# Allegro board S071AA-0413-20260427.brd (continued)
## Routing (per net, layer and track width the routed paths; a pad name or vN(x,y) marks a point on that pad's centre or on a via; arc(x,y) is an arc through that point) (continued)
; D431.A17 14.7,386.08 ; D428.B1 129.81,402.13 ; D428.B1 129.81,400.51 ; D428.B1 130.62,401.32 ; D428.B1 129,401.32 ; D108.A11 261.89,33.83 ; D108.A11 261.89,32.21 ; D108.A11 261.08,33.02 ; D108.A11 262.7,33.02 ; D107.B12 264.43,61.77 ; D107.B12 263.62,60.96 ; D107.B12 264.43,60.15 ; D107.B12 265.24,60.96 ; 241.57,375.11 D111.A15 ; D111.A15 240.76,375.92 ; D111.A15 242.38,375.92 ; D111.A15 241.57,376.73 ; 192.5,415.29 DPS2.A05 ; DPS2.A05 194.12,415.29 ; DPS2.A05 193.31,416.1 ; DPS2.A05 193.31,414.48 ; D431.B4 48.53,379.27 ; D431.B4 49.34,378.46 ; D431.B4 48.53,377.65 ; D431.B4 47.72,378.46 ; D106.B5 246.65,79.55 ; D106.B5 246.65,77.93 ; D106.B5 247.46,78.74 ; D106.B5 245.84,78.74 ; CSDPS229.C9 36.64,330.2 ; CSDPS229.C9 35.02,330.2 ; CSDPS229.C9 35.83,329.39 ; CSDPS229.C9 35.83,331.01 ; 50.26,38.1 D120.B15 ; D120.B15 51.88,38.1 ; D120.B15 51.07,38.91 ; D120.B15 51.07,37.29 ; UHC230.G3_4 48.64,353.54 ; UHC230.G3_4 47.02,353.54 ; UHC230.G3_4 47.83,352.73 ; UHC230.G3_4 47.83,354.35 ; D123.A2 92.52,55.88 ; D123.A2 91.71,56.69 ; D123.A2 90.9,55.88 ; D123.A2 91.71,55.07 ; 123.92,38.1 D124.B15 ; D124.B15 124.73,38.91 ; D124.B15 124.73,37.29 ; D124.B15 125.54,38.1 ; 45.18,370.84 D231.B5 ; D231.B5 46.8,370.84 ; D231.B5 45.99,370.03 ; D231.B5 45.99,371.65 ; 271.24,375.92 D111.A3 ; D111.A3 272.05,376.73 ; D111.A3 272.86,375.92 ; D111.A3 272.05,375.11 ; 109.49,93.17 D121.A9 ; D121.A9 110.3,93.98 ; D121.A9 109.49,94.79 ; D121.A9 108.68,93.98 ; D124.B6 102.68,40.64 ; D124.B6 101.87,41.45 ; D124.B6 101.87,39.83 ; D124.B6 101.06,40.64 ; 30.75,37.29 D120.B7 ; D120.B7 31.56,38.1 ; D120.B7 30.75,38.91 ; D120.B7 29.94,38.1 ; D120.B12 44.26,40.64 ; D120.B12 43.45,39.83 ; D120.B12 43.45,41.45 ; D120.B12 42.64,40.64 ; 113.76,391.16 D228.B7 ; D228.B7 115.38,391.16 ; D228.B7 114.57,391.97 ; D228.B7 114.57,390.35 ; DPS1.C15 272.86,19.05 ; DPS1.C15 272.05,18.24 ; DPS1.C15 272.05,19.86 ; DPS1.C15 271.24,19.05 ; 266.97,395.43 D112.A5 ; D112.A5 266.97,397.05 ; D112.A5 266.16,396.24 ; D112.A5 267.78,396.24 ; CSDPS425.B2 128.08,342.9 ; CSDPS425.B2 127.27,342.09 ; CSDPS425.B2 126.46,342.9 ; CSDPS425.B2 127.27,343.71 ; 256.81,390.35 D112.B9 ; D112.B9 257.62,391.16 ; D112.B9 256,391.16 ; D112.B9 256.81,391.97 ; 272.05,349.71 D110.B3 ; D110.B3 272.86,350.52 ; D110.B3 272.05,351.33 ; D110.B3 271.24,350.52 ; 106.14,332.74 CSDPS225.B10 ; CSDPS225.B10 106.95,333.55 ; CSDPS225.B10 106.95,331.93 ; CSDPS225.B10 107.76,332.74 ; D105.A8 254.27,97.33 ; D105.A8 254.27,95.71 ; D105.A8 253.46,96.52 ; D105.A8 255.08,96.52 ; 167.1,58.42 D103.B3 ; D103.B3 167.91,57.61 ; D103.B3 168.72,58.42 ; D103.B3 167.91,59.23 ; D122.A16 127.27,77.01 ; D122.A16 127.27,75.39 ; D122.A16 126.46,76.2 ; D122.A16 128.08,76.2 ; 266.16,370.84 D111.B5 ; D111.B5 266.97,371.65 ; D111.B5 267.78,370.84 ; D111.B5 266.97,370.03 ; 198.39,52.53 D103.A15 ; D103.A15 198.39,54.15 ; D103.A15 199.2,53.34 ; D103.A15 197.58,53.34 ; D428.A5 119.65,407.21 ; D428.A5 119.65,405.59 ; D428.A5 118.84,406.4 ; D428.A5 120.46,406.4 ; 95.98,353.06 CSDPS226.B14 ; CSDPS226.B14 97.6,353.06 ; CSDPS226.B14 96.79,352.25 ; CSDPS226.B14 96.79,353.87 ; 98.52,78.74 D122.B5 ; D122.B5 100.14,78.74 ; D122.B5 99.33,77.93 ; D122.B5 99.33,79.55 ; 184.88,40.64 D104.B10 ; D104.B10 185.69,41.45 ; D104.B10 186.5,40.64 ; D104.B10 185.69,39.83 ; 50.26,401.32 D432.B3 ; D432.B3 51.07,400.51 ; D432.B3 51.07,402.13 ; D432.B3 51.88,401.32 ; 124.73,93.17 D121.A15 ; D121.A15 124.73,94.79 ; D121.A15 125.54,93.98 ; D121.A15 123.92,93.98 ; 32.48,373.38 D231.A10 ; D231.A10 34.1,373.38 ; D231.A10 33.29,374.19 ; D231.A10 33.29,372.57 ; CSDPS425.C7 115.38,340.36 ; CSDPS425.C7 113.76,340.36 ; CSDPS425.C7 114.57,339.55 ; CSDPS425.C7 114.57,341.17 ; 261.89,370.03 D111.B7 ; D111.B7 261.89,371.65 ; D111.B7 262.7,370.84 ; D111.B7 261.08,370.84 ; 172.99,375.11 D115.A13 ; D115.A13 173.8,375.92 ; D115.A13 172.99,376.73 ; D115.A13 172.18,375.92 ; 52.8,342.9 CSDPS429.B2 ; CSDPS429.B2 53.61,343.71 ; CSDPS429.B2 54.42,342.9 ; CSDPS429.B2 53.61,342.09 ; 124.73,32.21 D124.A15 ; D124.A15 125.54,33.02 ; D124.A15 124.73,33.83 ; D124.A15 123.92,33.02 ; D110.A3 272.86,355.6 ; D110.A3 272.05,354.79 ; D110.A3 272.05,356.41 ; D110.A3 271.24,355.6 ; 47.72,398.78 D432.B4 ; D432.B4 49.34,398.78 ; D432.B4 48.53,399.59 ; D432.B4 48.53,397.97 ; 239.03,367.49 D111.B16 ; D111.B16 239.03,369.11 ; D111.B16 239.84,368.3 ; D111.B16 238.22,368.3 ; D120.A2 18.05,36.37 ; D120.A2 17.24,35.56 ; D120.A2 18.86,35.56 ; D120.A2 18.05,34.75 ; D106.A16 274.59,77.01 ; D106.A16 275.4,76.2 ; D106.A16 273.78,76.2 ; D106.A16 274.59,75.39 ; 239.03,392.89 D112.A16 ; D112.A16 239.84,393.7 ; D112.A16 239.03,394.51 ; D112.A16 238.22,393.7 ; 108.68,58.42 D123.B9 ; D123.B9 109.49,59.23 ; D123.B9 110.3,58.42 ; D123.B9 109.49,57.61 ; 90.9,368.3 D227.B16 ; D227.B16 91.71,369.11 ; D227.B16 92.52,368.3 ; D227.B16 91.71,367.49 ; D427.B15 94.25,381.81 ; D427.B15 94.25,380.19 ; D427.B15 95.06,381 ; D427.B15 93.44,381 ; D103.B12 190.77,61.77 ; D103.B12 190.77,60.15 ; D103.B12 191.58,60.96 ; D103.B12 189.96,60.96 ; 266.16,78.74 D106.B13 ; D106.B13 267.78,78.74 ; D106.B13 266.97,79.55 ; D106.B13 266.97,77.93 ; 274.59,326.85 D109.B2 ; D109.B2 274.59,328.47 ; D109.B2 273.78,327.66 ; D109.B2 275.4,327.66 ; 45.18,340.36 CSDPS429.C5 ; CSDPS429.C5 45.99,341.17 ; CSDPS429.C5 46.8,340.36 ; CSDPS429.C5 45.99,339.55 ; 256.81,52.53 D107.A9 ; D107.A9 257.62,53.34 ; D107.A9 256.81,54.15 ; D107.A9 256,53.34 ; D120.A3 21.4,33.02 ; D120.A3 20.59,32.21 ; D120.A3 20.59,33.83 ; D120.A3 19.78,33.02 ; 169.64,347.98 D114.B14 ; D114.B14 171.26,347.98 ; D114.B14 170.45,348.79 ; D114.B14 170.45,347.17 ; D102.A4 171.26,76.2 ; D102.A4 170.45,77.01 ; D102.A4 169.64,76.2 ; D102.A4 170.45,75.39 ; 245.84,19.05 DPS1.C05 ; DPS1.C05 246.65,18.24 ; DPS1.C05 247.46,19.05 ; DPS1.C05 246.65,19.86 ; D107.A13 266.97,54.15 ; D107.A13 266.97,52.53 ; D107.A13 266.16,53.34 ; D107.A13 267.78,53.34 ; 193.31,390.35 D116.B5 ; D116.B5 192.5,391.16 ; D116.B5 193.31,391.97 ; D116.B5 194.12,391.16 ; 202.66,335.28 D113.A1 ; D113.A1 203.47,334.47 ; D113.A1 203.47,336.09 ; D113.A1 204.28,335.28 ; 89.17,15.7 DPS3.B01 ; DPS3.B01 89.17,17.32 ; DPS3.B01 89.98,16.51 ; DPS3.B01 88.36,16.51 ; 24.86,375.92 D231.A13 ; D231.A13 25.67,376.73 ; D231.A13 26.48,375.92 ; D231.A13 25.67,375.11 ; D121.B2 91.71,102.41 ; D121.B2 92.52,101.6 ; D121.B2 91.71,100.79 ; D121.B2 90.9,101.6 ; 180.61,55.07 D103.A8 ; D103.A8 179.8,55.88 ; D103.A8 180.61,56.69 ; D103.A8 181.42,55.88 ; D112.A6 264.43,394.51 ; D112.A6 263.62,393.7 ; D112.A6 265.24,393.7 ; D112.A6 264.43,392.89 ; 273.78,101.6 D105.B16 ; D105.B16 274.59,100.79 ; D105.B16 275.4,101.6 ; D105.B16 274.59,102.41 ; D116.B2 201.74,388.62 ; D116.B2 200.93,389.43 ; D116.B2 200.12,388.62 ; D116.B2 200.93,387.81 ; D101.A3 167.91,94.79 ; D101.A3 167.1,93.98 ; D101.A3 168.72,93.98 ; D101.A3 167.91,93.17 ; 172.18,396.24 D116.A13 ; D116.A13 172.99,397.05 ; D116.A13 173.8,396.24 ; D116.A13 172.99,395.43 ; D121.B5 100.14,99.06 ; D121.B5 98.52,99.06 ; D121.B5 99.33,98.25 ; D121.B5 99.33,99.87 ; D123.B4 96.79,61.77 ; D123.B4 96.79,60.15 ; D123.B4 97.6,60.96 ; D123.B4 95.98,60.96 ; D428.A7 115.38,406.4 ; D428.A7 113.76,406.4 ; D428.A7 114.57,405.59 ; D428.A7 114.57,407.21 ; 179.8,393.7 D116.A10 ; D116.A10 180.61,394.51 ; D116.A10 180.61,392.89 ; D116.A10 181.42,393.7 ; 172.99,334.47 D113.A13 ; D113.A13 173.8,335.28 ; D113.A13 172.99,336.09 ; D113.A13 172.18,335.28 ; UHC430.G2_8 45.19,361.95 ; UHC430.G2_8 44.38,362.76 ; UHC430.G2_8 43.57,361.95 ; UHC430.G2_8 44.38,361.14 ; D102.A6 176.34,76.2 ; D102.A6 175.53,75.39 ; D102.A6 175.53,77.01 ; D102.A6 174.72,76.2 ; 111.22,378.46 D427.B8 ; D427.B8 112.84,378.46 ; D427.B8 112.03,377.65 ; D427.B8 112.03,379.27 ; D113.A16 166.18,332.74 ; D113.A16 164.56,332.74 ; D113.A16 165.37,333.55 ; D113.A16 165.37,331.93 ; 263.62,101.6 D105.B12 ; D105.B12 264.43,102.41 ; D105.B12 264.43,100.79 ; D105.B12 265.24,101.6 ; D109.B12 250,327.66 ; D109.B12 248.38,327.66 ; D109.B12 249.19,326.85 ; D109.B12 249.19,328.47 ; 195.85,326.85 D113.B4 ; D113.B4 196.66,327.66 ; D113.B4 195.85,328.47 ; D113.B4 195.04,327.66 ; D124.A6 101.87,36.37 ; D124.A6 102.68,35.56 ; D124.A6 101.87,34.75 ; D124.A6 101.06,35.56 ; 256,370.84 D111.B9 ; D111.B9 256.81,370.03 ; D111.B9 256.81,371.65 ; D111.B9 257.62,370.84 ; D112.A3 272.05,397.05 ; D112.A3 272.86,396.24 ; D112.A3 271.24,396.24 ; D112.A3 272.05,395.43 ; 253.46,35.56 D108.A8 ; D108.A8 254.27,34.75 ; D108.A8 254.27,36.37 ; D108.A8 255.08,35.56 ; D120.B9 36.64,38.1 ; D120.B9 35.83,38.91 ; D120.B9 35.83,37.29 ; D120.B9 35.02,38.1 ; D232.B14 23.94,388.62 ; D232.B14 23.13,387.81 ; D232.B14 23.13,389.43 ; D232.B14 22.32,388.62 ; D119.A7 31.56,53.34 ; D119.A7 29.94,53.34 ; D119.A7 30.75,52.53 ; D119.A7 30.75,54.15 ; 195.85,367.49 D115.B4 ; D115.B4 196.66,368.3 ; D115.B4 195.04,368.3 ; D115.B4 195.85,369.11 ; 200.93,80.47 D102.B16 ; D102.B16 200.93,82.09 ; D102.B16 201.74,81.28 ; D102.B16 200.12,81.28 ; 182.34,53.34 D103.A9 ; D103.A9 183.15,52.53 ; D103.A9 183.96,53.34 ; D103.A9 183.15,54.15 ; D231.A7 40.91,376.73 ; D231.A7 40.1,375.92 ; D231.A7 40.91,375.11 ; D231.A7 41.72,375.92 ; D232.B17 15.51,391.97 ; D232.B17 15.51,390.35 ; D232.B17 14.7,391.16 ; D232.B17 16.32,391.16 ; 254.27,39.83 D108.B8 ; D108.B8 254.27,41.45 ; D108.B8 253.46,40.64 ; D108.B8 255.08,40.64 ; 29.94,381 D431.B11 ; D431.B11 30.75,380.19 ; D431.B11 31.56,381 ; D431.B11 30.75,381.81 ; 50.26,396.24 D232.A3 ; D232.A3 51.07,395.43 ; D232.A3 51.88,396.24 ; D232.A3 51.07,397.05 ; 256,350.52 D110.B9 ; D110.B9 256.81,349.71 ; D110.B9 257.62,350.52 ; D110.B9 256.81,351.33 ; D102.A14 195.85,77.01 ; D102.A14 195.85,75.39 ; D102.A14 195.04,76.2 ; D102.A14 196.66,76.2 ; D428.B15 94.25,402.13 ; D428.B15 93.44,401.32 ; D428.B15 94.25,400.51 ; D428.B15 95.06,401.32 ; D113.B12 176.34,327.66 ; D113.B12 175.53,326.85 ; D113.B12 174.72,327.66 ; D113.B12 175.53,328.47 ; CSDPS225.C11 104.41,331.01 ; CSDPS225.C11 105.22,330.2 ; CSDPS225.C11 104.41,329.39 ; CSDPS225.C11 103.6,330.2 ; D110.A7 261.89,356.41 ; D110.A7 261.89,354.79 ; D110.A7 262.7,355.6 ; D110.A7 261.08,355.6 ; 28.21,392.89 D232.A12 ; D232.A12 27.4,393.7 ; D232.A12 29.02,393.7 ; D232.A12 28.21,394.51 ; 53.61,331.93 CSDPS229.B2 ; CSDPS229.B2 53.61,333.55 ; CSDPS229.B2 52.8,332.74 ; CSDPS229.B2 54.42,332.74 ; D119.A16 53.61,56.69 ; D119.A16 53.61,55.07 ; D119.A16 52.8,55.88 ; D119.A16 54.42,55.88 ; 117.11,377.65 D427.B6 ; D427.B6 117.92,378.46 ; D427.B6 116.3,378.46 ; D427.B6 117.11,379.27 ; 50.26,386.08 D431.A3 ; D431.A3 51.07,386.89 ; D431.A3 51.88,386.08 ; D431.A3 51.07,385.27 ; 98.52,13.97 DPS3.A05 ; DPS3.A05 100.14,13.97 ; DPS3.A05 99.33,14.78 ; DPS3.A05 99.33,13.16 ; D113.A2 200.93,333.55 ; D113.A2 201.74,332.74 ; D113.A2 200.93,331.93 ; D113.A2 200.12,332.74 ; D232.B2 54.42,388.62 ; D232.B2 53.61,387.81 ; D232.B2 53.61,389.43 ; D232.B2 52.8,388.62 ; DPS8.C15 20.59,411.02 ; DPS8.C15 19.78,410.21 ; DPS8.C15 21.4,410.21 ; DPS8.C15 20.59,409.4 ; 179.8,373.38 D115.A10 ; D115.A10 181.42,373.38 ; D115.A10 180.61,372.57 ; D115.A10 180.61,374.19 ; 117.11,34.75 D124.A12 ; D124.A12 116.3,35.56 ; D124.A12 117.92,35.56 ; D124.A12 117.11,36.37 ; 35.02,396.24 D232.A9 ; D232.A9 35.83,397.05 ; D232.A9 36.64,396.24 ; D232.A9 35.83,395.43 ; D115.A11 178.88,375.92 ; D115.A11 177.26,375.92 ; D115.A11 178.07,375.11 ; D115.A11 178.07,376.73 ; 172.99,370.03 D115.B13 ; D115.B13 172.99,371.65 ; D115.B13 173.8,370.84 ; D115.B13 172.18,370.84 ; D115.B12 176.34,368.3 ; D115.B12 175.53,367.49 ; D115.B12 175.53,369.11 ; D115.B12 174.72,368.3 ; 45.87,355.29 UHC230.G3_2 ; UHC230.G3_2 46.68,354.48 ; UHC230.G3_2 47.49,355.29 ; UHC230.G3_2 46.68,356.1 ; D120.A12 43.45,36.37 ; D120.A12 42.64,35.56 ; D120.A12 44.26,35.56 ; D120.A12 43.45,34.75 ; D103.B15 198.39,59.23 ; D103.B15 199.2,58.42 ; D103.B15 197.58,58.42 ; D103.B15 198.39,57.61 ; D107.B15 272.05,59.23 ; D107.B15 272.05,57.61 ; D107.B15 271.24,58.42 ; D107.B15 272.86,58.42 ; 170.45,387.81 D116.B14 ; D116.B14 169.64,388.62 ; D116.B14 171.26,388.62 ; D116.B14 170.45,389.43 ; 55.34,415.29 DPS8.A01 ; DPS8.A01 56.96,415.29 ; DPS8.A01 56.15,416.1 ; DPS8.A01 56.15,414.48 ; 258.54,353.06 D110.A8 ; D110.A8 259.35,352.25 ; D110.A8 259.35,353.87 ; D110.A8 260.16,353.06 ; D121.B4 96.79,102.41 ; D121.B4 97.6,101.6 ; D121.B4 96.79,100.79 ; D121.B4 95.98,101.6 ; 179.8,332.74 D113.A10 ; D113.A10 180.61,333.55 ; D113.A10 180.61,331.93 ; D113.A10 181.42,332.74 ; 185.69,34.75 D104.A10 ; D104.A10 185.69,36.37 ; D104.A10 184.88,35.56 ; D104.A10 186.5,35.56 ; 117.11,342.09 CSDPS425.B6 ; CSDPS425.B6 116.3,342.9 ; CSDPS425.B6 117.92,342.9 ; CSDPS425.B6 117.11,343.71 ; D104.A9 183.96,33.02 ; D104.A9 183.15,32.21 ; D104.A9 182.34,33.02 ; D104.A9 183.15,33.83 ; 254.27,326.85 D109.B10 ; D109.B10 253.46,327.66 ; D109.B10 255.08,327.66 ; D109.B10 254.27,328.47 ; D114.A4 196.66,353.06 ; D114.A4 195.85,353.87 ; D114.A4 195.85,352.25 ; D114.A4 195.04,353.06 ; 40.1,396.24 D232.A7 ; D232.A7 41.72,396.24 ; D232.A7 40.91,395.43 ; D232.A7 40.91,397.05 ; 251.73,32.21 D108.A7 ; D108.A7 252.54,33.02 ; D108.A7 251.73,33.83 ; D108.A7 250.92,33.02 ; 238.22,35.56 D108.A2 ; D108.A2 239.84,35.56 ; D108.A2 239.03,34.75 ; D108.A2 239.03,36.37 ; 17.24,40.64 D120.B2 ; D120.B2 18.05,41.45 ; D120.B2 18.86,40.64 ; D120.B2 18.05,39.83 ; 108.68,406.4 D428.A9 ; D428.A9 109.49,405.59 ; D428.A9 110.3,406.4 ; D428.A9 109.49,407.21 ; 200.12,60.96 D103.B16 ; D103.B16 200.93,60.15 ; D103.B16 201.74,60.96 ; D103.B16 200.93,61.77 ; 104.41,77.93 D122.B7 ; D122.B7 105.22,78.74 ; D122.B7 104.41,79.55 ; D122.B7 103.6,78.74 ; 127.27,377.65 D427.B2 ; D427.B2 128.08,378.46 ; D427.B2 127.27,379.27 ; D427.B2 126.46,378.46 ; 104.41,395.43 D228.A11 ; D228.A11 104.41,397.05 ; D228.A11 103.6,396.24 ; D228.A11 105.22,396.24 ; 123.92,386.08 D427.A3 ; D427.A3 125.54,386.08 ; D427.A3 124.73,386.89 ; D427.A3 124.73,385.27 ; 129,391.16 D228.B1 ; D228.B1 129.81,390.35 ; D228.B1 129.81,391.97 ; D228.B1 130.62,391.16 ; 94.25,98.25 D121.B3 ; D121.B3 95.06,99.06 ; D121.B3 93.44,99.06 ; D121.B3 94.25,99.87 ; 200.12,35.56 D104.A16 ; D104.A16 200.93,34.75 ; D104.A16 201.74,35.56 ; D104.A16 200.93,36.37 ; D431.A14 23.94,383.54 ; D431.A14 23.13,384.35 ; D431.A14 22.32,383.54 ; D431.A14 23.13,382.73 ; D115.A7 189.04,375.92 ; D115.A7 188.23,375.11 ; D115.A7 187.42,375.92 ; D115.A7 188.23,376.73 ; D116.B12 175.53,389.43 ; D116.B12 176.34,388.62 ; D116.B12 174.72,388.62 ; D116.B12 175.53,387.81 ; 122.19,75.39 D122.A14 ; D122.A14 123,76.2 ; D122.A14 122.19,77.01 ; D122.A14 121.38,76.2 ; UHC430.G2_4 48.64,363.7 ; UHC430.G2_4 47.83,362.89 ; UHC430.G2_4 47.02,363.7 ; UHC430.G2_4 47.83,364.51 ; 248.38,40.64 D108.B6 ; D108.B6 250,40.64 ; D108.B6 249.19,41.45 ; D108.B6 249.19,39.83 ; CSDPS225.C1 130.62,330.2 ; CSDPS225.C1 129.81,331.01 ; CSDPS225.C1 129.81,329.39 ; CSDPS225.C1 129,330.2 ; D228.A6 117.92,393.7 ; D228.A6 117.11,394.51 ; D228.A6 116.3,393.7 ; D228.A6 117.11,392.89 ; 22.32,332.74 CSDPS229.B14 ; CSDPS229.B14 23.94,332.74 ; CSDPS229.B14 23.13,331.93 ; CSDPS229.B14 23.13,333.55 ; D103.B13 193.31,59.23 ; D103.B13 194.12,58.42 ; D103.B13 193.31,57.61 ; D103.B13 192.5,58.42 ; D103.B4 170.45,61.77 ; D103.B4 169.64,60.96 ; D103.B4 171.26,60.96 ; D103.B4 170.45,60.15 ; DPS1.A01 237.3,13.97 ; DPS1.A01 236.49,14.78 ; DPS1.A01 236.49,13.16 ; DPS1.A01 235.68,13.97 ; D106.B9 256.81,79.55 ; D106.B9 257.62,78.74 ; D106.B9 256.81,77.93 ; D106.B9 256,78.74 ; 250.92,350.52 D110.B11 ; D110.B11 251.73,351.33 ; D110.B11 251.73,349.71 ; D110.B11 252.54,350.52 ; UHC230.G3_3 44.38,356.1 ; UHC230.G3_3 44.38,354.48 ; UHC230.G3_3 43.57,355.29 ; UHC230.G3_3 45.19,355.29 ; D116.B7 188.23,391.97 ; D116.B7 187.42,391.16 ; D116.B7 188.23,390.35 ; D116.B7 189.04,391.16 ; 119.65,359.87 CSDPS426.C5 ; CSDPS426.C5 120.46,360.68 ; CSDPS426.C5 119.65,361.49 ; CSDPS426.C5 118.84,360.68 ; 40.91,72.85 D118.A11 ; D118.A11 40.91,74.47 ; D118.A11 40.1,73.66 ; D118.A11 41.72,73.66 ; CSDPS429.C9 35.83,341.17 ; CSDPS429.C9 36.64,340.36 ; CSDPS429.C9 35.02,340.36 ; CSDPS429.C9 35.83,339.55 ; CSDPS429.C11 31.56,340.36 ; CSDPS429.C11 29.94,340.36 ; CSDPS429.C11 30.75,339.55 ; CSDPS429.C11 30.75,341.17 ; D431.B17 15.51,381.81 ; D431.B17 16.32,381 ; D431.B17 15.51,380.19 ; D431.B17 14.7,381 ; D102.B4 171.26,81.28 ; D102.B4 170.45,80.47 ; D102.B4 170.45,82.09 ; D102.B4 169.64,81.28 ; 101.06,81.28 D122.B6 ; D122.B6 102.68,81.28 ; D122.B6 101.87,82.09 ; D122.B6 101.87,80.47 ; D101.B13 193.31,99.87 ; D101.B13 193.31,98.25 ; D101.B13 192.5,99.06 ; D101.B13 194.12,99.06 ; 45.53,359.39 UHC430.G2_10 ; UHC430.G2_10 45.53,361.01 ; UHC430.G2_10 44.72,360.2 ; UHC430.G2_10 46.34,360.2 ; D232.A5 45.99,397.05 ; D232.A5 45.99,395.43 ; D232.A5 46.8,396.24 ; D232.A5 45.18,396.24 ; 98.52,375.92 D227.A13 ; D227.A13 100.14,375.92 ; D227.A13 99.33,375.11 ; D227.A13 99.33,376.73 ; D112.B10 255.08,388.62 ; D112.B10 254.27,387.81 ; D112.B10 253.46,388.62 ; D112.B10 254.27,389.43 ; 162.83,93.17 D101.A1 ; D101.A1 162.83,94.79 ; D101.A1 163.64,93.98 ; D101.A1 162.02,93.98 ; D101.A15 199.2,93.98 ; D101.A15 198.39,93.17 ; D101.A15 197.58,93.98 ; D101.A15 198.39,94.79 ; 182.34,375.92 D115.A9 ; D115.A9 183.15,376.73 ; D115.A9 183.96,375.92 ; D115.A9 183.15,375.11 ; 269.51,100.79 D105.B14 ; D105.B14 269.51,102.41 ; D105.B14 270.32,101.6 ; D105.B14 268.7,101.6 ; D432.A8 39.18,403.86 ; D432.A8 37.56,403.86 ; D432.A8 38.37,403.05 ; D432.A8 38.37,404.67 ; D232.B5 46.8,391.16 ; D232.B5 45.99,391.97 ; D232.B5 45.99,390.35 ; D232.B5 45.18,391.16 ; CSDPS226.B12 101.87,353.87 ; CSDPS226.B12 101.87,352.25 ; CSDPS226.B12 102.68,353.06 ; CSDPS226.B12 101.06,353.06 ; D120.A11 41.72,33.02 ; D120.A11 40.91,32.21 ; D120.A11 40.1,33.02 ; D120.A11 40.91,33.83 ; 172.99,349.71 D114.B13 ; D114.B13 172.18,350.52 ; D114.B13 173.8,350.52 ; D114.B13 172.99,351.33 ; 29.94,375.92 D231.A11 ; D231.A11 30.75,376.73 ; D231.A11 31.56,375.92 ; D231.A11 30.75,375.11 ; 56.15,411.94 DPS8.B01 ; DPS8.B01 55.34,412.75 ; DPS8.B01 56.15,413.56 ; DPS8.B01 56.96,412.75 ; UHC230.G3_8 45.19,351.79 ; UHC230.G3_8 44.38,352.6 ; UHC230.G3_8 44.38,350.98 ; UHC230.G3_8 43.57,351.79 ; D102.B5 173.8,78.74 ; D102.B5 172.99,77.93 ; D102.B5 172.18,78.74 ; D102.B5 172.99,79.55 ; 19.78,412.75 DPS8.B15 ; DPS8.B15 20.59,413.56 ; DPS8.B15 21.4,412.75 ; DPS8.B15 20.59,411.94 ; D115.B8 186.5,368.3 ; D115.B8 184.88,368.3 ; D115.B8 185.69,367.49 ; D115.B8 185.69,369.11 ; 55.34,370.84 D231.B1 ; D231.B1 56.15,371.65 ; D231.B1 56.96,370.84 ; D231.B1 56.15,370.03 ; 183.15,390.35 D116.B9 ; D116.B9 183.15,391.97 ; D116.B9 182.34,391.16 ; D116.B9 183.96,391.16 ; 35.02,391.16 D232.B9 ; D232.B9 35.83,391.97 ; D232.B9 35.83,390.35 ; D232.B9 36.64,391.16 ; 91.71,95.71 D121.A2 ; D121.A2 91.71,97.33 ; D121.A2 90.9,96.52 ; D121.A2 92.52,96.52 ; 256.81,72.85 D106.A9 ; D106.A9 256.81,74.47 ; D106.A9 257.62,73.66 ; D106.A9 256,73.66 ; D121.B13 119.65,99.87 ; D121.B13 119.65,98.25 ; D121.B13 118.84,99.06 ; D121.B13 120.46,99.06 ; 112.03,60.15 D123.B10 ; D123.B10 112.84,60.96 ; D123.B10 112.03,61.77 ; D123.B10 111.22,60.96 ; D121.B12 117.92,101.6 ; D121.B12 117.11,100.79 ; D121.B12 117.11,102.41 ; D121.B12 116.3,101.6 ; 45.18,401.32 D432.B5 ; D432.B5 45.99,402.13 ; D432.B5 45.99,400.51 ; D432.B5 46.8,401.32 ; D102.A8 181.42,76.2 ; D102.A8 180.61,77.01 ; D102.A8 180.61,75.39 ; D102.A8 179.8,76.2 ; D123.A3 94.25,54.15 ; D123.A3 95.06,53.34 ; D123.A3 93.44,53.34 ; D123.A3 94.25,52.53 ; D123.A7 104.41,54.15 ; D123.A7 104.41,52.53 ; D123.A7 105.22,53.34 ; D123.A7 103.6,53.34 ; D102.A9 183.15,74.47 ; D102.A9 183.96,73.66 ; D102.A9 183.15,72.85 ; D102.A9 182.34,73.66 ; D101.B14 195.85,102.41 ; D101.B14 196.66,101.6 ; D101.B14 195.04,101.6 ; D101.B14 195.85,100.79 ; CSDPS229.C7 40.91,331.01 ; CSDPS229.C7 41.72,330.2 ; CSDPS229.C7 40.91,329.39 ; CSDPS229.C7 40.1,330.2 ; D228.A5 120.46,396.24 ; D228.A5 119.65,397.05 ; D228.A5 118.84,396.24 ; D228.A5 119.65,395.43 ; 249.19,75.39 D106.A6 ; D106.A6 248.38,76.2 ; D106.A6 249.19,77.01 ; D106.A6 250,76.2 ; D105.B11 261.89,99.87 ; D105.B11 261.08,99.06 ; D105.B11 262.7,99.06 ; D105.B11 261.89,98.25 ; 188.23,370.03 D115.B7 ; D115.B7 187.42,370.84 ; D115.B7 189.04,370.84 ; D115.B7 188.23,371.65 ; D103.B6 175.53,61.77 ; D103.B6 176.34,60.96 ; D103.B6 174.72,60.96 ; D103.B6 175.53,60.15 ; D427.A13 100.14,386.08 ; D427.A13 99.33,386.89 ; D427.A13 99.33,385.27 ; D427.A13 98.52,386.08 ; 121.38,393.7 D228.A4 ; D228.A4 122.19,392.89 ; D228.A4 123,393.7 ; D228.A4 122.19,394.51 ; 177.26,391.16 D116.B11 ; D116.B11 178.07,391.97 ; D116.B11 178.07,390.35 ; D116.B11 178.88,391.16 ; 243.3,347.98 D110.B14 ; D110.B14 244.92,347.98 ; D110.B14 244.11,347.17 ; D110.B14 244.11,348.79 ; D231.A4 48.53,374.19 ; D231.A4 48.53,372.57 ; D231.A4 49.34,373.38 ; D231.A4 47.72,373.38 ; 272.05,334.47 D109.A3 ; D109.A3 272.05,336.09 ; D109.A3 271.24,335.28 ; D109.A3 272.86,335.28 ; 271.24,73.66 D106.A15 ; D106.A15 272.05,72.85 ; D106.A15 272.05,74.47 ; D106.A15 272.86,73.66 ; D108.B2 239.84,40.64 ; D108.B2 239.03,39.83 ; D108.B2 239.03,41.45 ; D108.B2 238.22,40.64 ; 13.77,355.29 UHC230.G4_3 ; UHC230.G4_3 14.58,356.1 ; UHC230.G4_3 15.39,355.29 ; UHC230.G4_3 14.58,354.48 ; D104.B2 166.18,40.64 ; D104.B2 165.37,39.83 ; D104.B2 164.56,40.64 ; D104.B2 165.37,41.45 ; D105.A3 241.57,94.79 ; D105.A3 241.57,93.17 ; D105.A3 240.76,93.98 ; D105.A3 242.38,93.98 ; D432.B8 39.18,398.78 ; D432.B8 37.56,398.78 ; D432.B8 38.37,397.97 ; D432.B8 38.37,399.59 ; D432.B12 28.21,399.59 ; D432.B12 27.4,398.78 ; D432.B12 29.02,398.78 ; D432.B12 28.21,397.97 ; D119.B5 25.67,59.23 ; D119.B5 24.86,58.42 ; D119.B5 26.48,58.42 ; D119.B5 25.67,57.61 ; 261.89,57.61 D107.B11 ; D107.B11 261.08,58.42 ; D107.B11 261.89,59.23 ; D107.B11 262.7,58.42 ; 164.56,327.66 D113.B16 ; D113.B16 165.37,326.85 ; D113.B16 165.37,328.47 ; D113.B16 166.18,327.66 ; 254.27,55.07 D107.A8 ; D107.A8 255.08,55.88 ; D107.A8 254.27,56.69 ; D107.A8 253.46,55.88 ; 91.71,392.89 D228.A16 ; D228.A16 91.71,394.51 ; D228.A16 90.9,393.7 ; D228.A16 92.52,393.7 ; 20.59,390.35 D232.B15 ; D232.B15 21.4,391.16 ; D232.B15 19.78,391.16 ; D232.B15 20.59,391.97 ; 19.78,415.29 DPS8.A15 ; DPS8.A15 20.59,414.48 ; DPS8.A15 20.59,416.1 ; DPS8.A15 21.4,415.29 ; CSDPS429.C7 41.72,340.36 ; CSDPS429.C7 40.91,341.17 ; CSDPS429.C7 40.91,339.55 ; CSDPS429.C7 40.1,340.36 ; D120.A16 53.61,36.37 ; D120.A16 54.42,35.56 ; D120.A16 53.61,34.75 ; D120.A16 52.8,35.56 ; 45.99,380.19 D431.B5 ; D431.B5 45.99,381.81 ; D431.B5 45.18,381 ; D431.B5 46.8,381 ; D116.A2 201.74,393.7 ; D116.A2 200.12,393.7 ; D116.A2 200.93,394.51 ; D116.A2 200.93,392.89 ; D232.B7 40.91,391.97 ; D232.B7 41.72,391.16 ; D232.B7 40.91,390.35 ; D232.B7 40.1,391.16 ; D107.A15 272.05,54.15 ; D107.A15 272.05,52.53 ; D107.A15 272.86,53.34 ; D107.A15 271.24,53.34 ; 240.76,350.52 D110.B15 ; D110.B15 242.38,350.52 ; D110.B15 241.57,349.71